# Altium PCB ETZZ.PcbDoc (part 2 of 2)
Units mm, origin at the board's own origin, x right, y up, seen from the top; angles counter-clockwise.
Board outline 70.75 x 120.75 mm, 2 copper layers (Top Layer, Bottom Layer), stack 1.536 mm thick; 55 components, 63 nets, 297 pads, 51 vias.
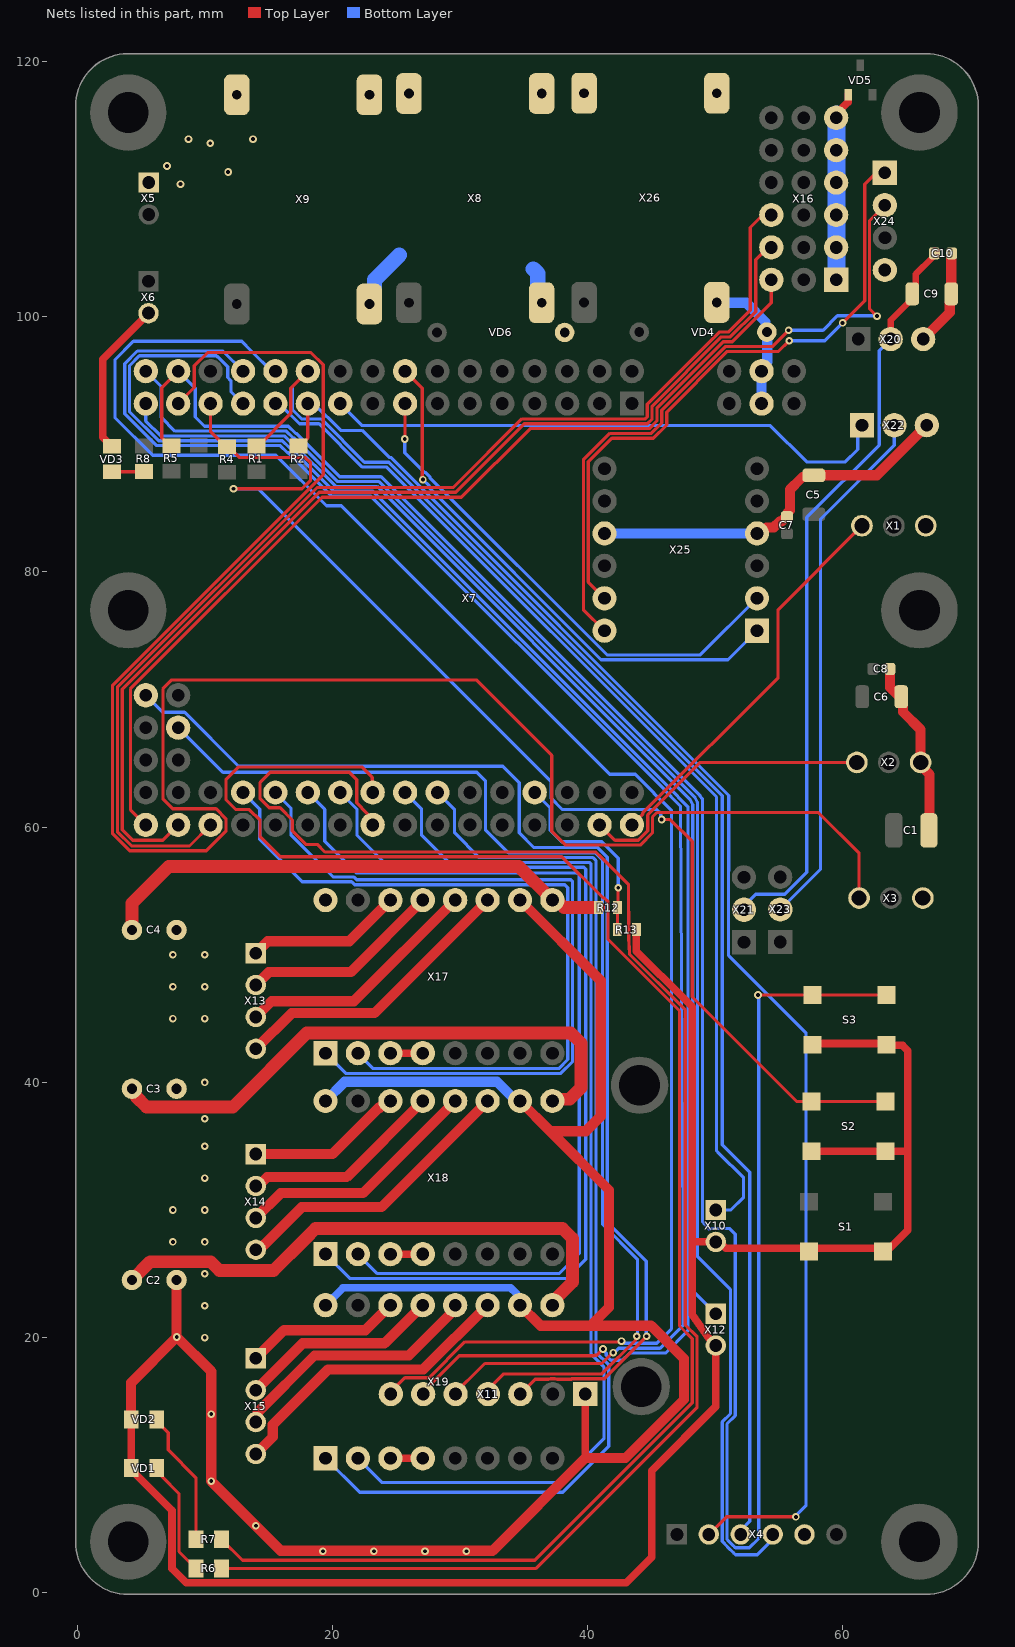
[diagram p2: the nets of this part, all layers, seen from the top]

## Via types
v1: diameter 0.6, hole 0.3, Top Layer to Bottom Layer, tented both sides, 49 vias
v2: diameter 0.6, hole 0.3, Top Layer to Bottom Layer, 2 vias

## Nets (pads, with @x,y where several pads share a name; then routed paths per layer and width w, separated by ;. In a path a pad name is that pad's centre, name@x,y a point inside that pad or via, vN(x,y) a via of type N, cw(c..) or ccw(c..) an arc to the next point about the centre after c; other vN are vias at no path point) (continued)
BUTTON2: R4.1 S2.1 X7.27 | length 97.9
  Top Layer w0.254: X7.27@10.455,93.2 10.455,90.995 11.625,89.825 R4.1@11.75,89.825 11.875,89.825 12.734,88.966 17.874,88.966 18.285,88.554 18.285,87.196 17.615,86.525 v1(12.25,86.525) ; v1(45.798,60.6) 46.486,60.6 48.204,58.882 48.204,46.693 56.397,38.5 S2.1@57.55,38.5 S2.1@63.35,38.5
  Bottom Layer w0.254: v1(12.25,86.525) 14.2,86.525 37.125,63.6 37.125,62.29 38.033,61.382 45.437,61.382 45.732,61.088 45.732,60.666 v1(45.798,60.6)
BUTTON3: R5.1 S3.1 X7.30 | length 179.1
  Top Layer w0.254: R5.1@7.375,89.9 7.25,89.9 6.625,90.525 6.625,94.45 X7.30@7.915,95.74 ; v1(53.35,46.85) S3.1@63.425,46.85
  Bottom Layer w0.254: X7.30@7.915,95.74 9.253,94.402 9.253,92.147 9.974,91.426 16.541,91.426 17.106,90.861 17.174,90.861 20.569,87.465 23.818,87.465 48.701,62.582 48.775,62.508 48.95,62.263 48.998,62.197 48.998,29.096 49.195,28.899 49.225,28.862 49.347,28.684 49.495,28.535 49.606,28.535 50.008,28.551 cw(c50.05,27.5) 50.072,28.552 51.144,28.531 51.579,28.096 51.579,13.889 50.925,13.235 50.925,4.706 cw(c49.5,4.575) 50.925,4.444 50.925,4.182 50.999,4.108 51.131,3.977 51.184,3.911 ccw(c52,4.575) 51.336,3.759 51.402,3.706 51.587,3.52 52.67,3.52 53.404,4.254 53.404,46.796 v1(53.35,46.85)
CLK: X7.53 X11.3 | length 94.3
  Top Layer w0.254: X11.3@34.73,15.57 35.889,16.729 36.938,16.729 cw(c37.275,15.575) 37.612,16.729 38.712,16.729 38.761,16.777 41.302,16.777 42.286,17.761 cw(c44.202,16.152) 42.593,18.068 v1(44.625,20.1)
  Bottom Layer w0.254: X7.53@5.375,70.34 6.713,69.002 8.413,69.002 12.64,64.775 33.35,64.775 34.65,63.475 34.65,59.55 35.8,58.4 40.8,58.4 41.472,57.728 41.546,57.654 41.546,29.043 44.601,25.988 44.601,20.124 v1(44.625,20.1)
CS: X7.24 X11.7 | length 140.5
  Top Layer w0.254: X11.7@24.14,15.315 25.682,16.857 27.582,16.857 30.388,19.663 42.592,19.663 v1(42.65,19.721)
  Bottom Layer w0.254: X7.24@15.535,95.74 15.231,95.74 13.65,97.321 12.892,98.079 4.406,98.079 2.962,96.635 2.962,92.094 5.904,89.152 15.575,89.152 19.536,85.191 20.699,85.191 41.741,64.15 43.745,64.15 45.197,62.697 45.197,62.67 46.577,61.29 46.577,20.706 45.419,19.548 42.972,19.548 42.961,19.559 42.906,19.559 42.744,19.721 v1(42.65,19.721)
D1: X7.47 X16.13 | length 76.3
  Top Layer w0.254: X7.47@5.375,60.18 4.173,61.382 4.173,70.838 19.185,85.85 30.1,85.85 35.49,91.24 44.843,91.24 45.435,91.832 45.435,92.847 50.63,98.042 51.352,98.042 54.4,101.09 X16.13@54.4,102.9
D2: X7.45 X16.14 | length 84.4
  Top Layer w0.254: X7.45@7.915,60.18 6.713,58.978 4.358,58.978 3.529,59.807 3.529,70.818 18.955,86.244 29.657,86.244 35.032,91.619 44.686,91.619 45.056,91.989 45.056,93.004 50.473,98.421 51.195,98.421 53.175,100.401 53.175,104.465 X16.14@54.275,105.565
D3: X7.43 X16.15 | length 90.7
  Top Layer w0.254: X7.43@10.455,60.18 8.8,58.525 4.275,58.525 3.15,59.65 3.15,70.975 18.798,86.623 29.473,86.623 34.848,91.998 44.529,91.998 44.677,92.146 44.677,93.161 50.316,98.8 51.038,98.8 52.75,100.512 52.75,107 X16.15@54.148,108.398
DIGITAL: X7.19 X22.1 | length 46
  Top Layer w0.254: X22.1@61.849,90.833 X22.1@62.075,91.059
  Bottom Layer w0.254: X7.19@20.615,93.2 22.34,91.475 54.325,91.475 57.175,88.625 60.2,88.625 61.175,89.6 61.175,91.175 X22.1@62.049,92.049
DIR: X4.4 X7.32 | length 123.3
  Bottom Layer w0.254: X7.32@5.375,95.74 6.577,94.538 6.577,92.123 7.653,91.047 16.384,91.047 16.949,90.482 17.017,90.482 20.412,87.086 23.661,87.086 48.322,62.425 48.381,62.366 48.396,62.351 48.59,61.984 48.619,61.928 48.619,27.957 48.619,26.333 51.164,23.788 51.2,23.728 51.2,14.046 50.546,13.392 50.546,4.687 cw(c49.5,4.575) 50.546,4.463 50.546,4.025 50.965,3.586 ccw(c52,4.575) 51.014,3.538 51.43,3.141 51.458,3.117 51.6,2.975 53.29,2.975 54.523,4.208 X4.4@54.523,4.572
DIR1: X7.40 X17.1 | length 61.9
  Bottom Layer w0.254: X7.40@15.535,62.72 16.75,61.505 16.75,59.4 20.045,56.105 21.659,56.105 21.892,55.872 38.672,55.872 38.821,55.723 38.821,41.636 37.887,40.702 21.049,40.702 X17.1@19.46,42.291
DIR2: X7.36 X18.1 | length 75.3
  Bottom Layer w0.254: X18.1@19.46,26.543 21.363,24.64 38.356,24.64 39.85,26.134 39.85,56.714 39.701,56.863 24.436,56.863 21.925,59.374 21.925,61.41 X7.36@20.615,62.72
DIR3: X7.68 X19.1 | length 86.8
  Bottom Layer w0.254: X19.1@19.46,10.541 22.127,7.874 38.044,7.874 41.654,11.484 41.654,17.857 40.654,18.857 40.654,57.399 40.432,57.621 31.504,57.621 29.575,59.55 29.575,61.38 X7.68@28.235,62.72
DS: X7.25 X11.6 | length 137.6
  Top Layer w0.254: X11.6@26.48,15.13 29.925,18.575 40.509,18.575 40.554,18.62 40.715,18.62 v1(41.206,19.111)
  Bottom Layer w0.254: X7.25@12.995,93.2 12.048,94.147 12.048,94.987 11.793,95.242 11.793,96.102 11.021,96.874 10.964,96.874 10.896,96.942 4.877,96.942 4.099,96.164 4.099,92.565 6.375,90.289 16.07,90.289 16.635,89.724 16.703,89.724 20.098,86.328 23.174,86.328 46.334,63.168 47.861,61.614 47.861,20.536 46.115,18.79 43.302,18.79 42.729,18.217 41.83,18.217 41.452,18.595 41.452,18.772 41.206,19.018 v1(41.206,19.111)
ENDCAP1: X7.23 X10.1 | length 82.2
  Bottom Layer w0.254: X7.23@15.535,93.2 15.839,93.2 17.42,91.619 18.956,91.619 22.351,88.223 24.252,88.223 50.1,62.375 50.1,34.649 50.249,34.5 ; X10.1@50.05,30 51.231,30 52.225,30.994 52.225,32.525 50.25,34.5
ENDCAP2: X7.31 X12.1 | length 97.4
  Bottom Layer w0.254: X7.31@5.375,93.2 5.375,91.825 6.532,90.668 16.227,90.668 16.792,90.103 16.86,90.103 20.255,86.707 23.504,86.707 47.943,62.268 48.017,62.194 48.24,61.771 48.24,23.685 49.377,22.548 X12.1@50.05,21.875
GND: C1.1 C2.2 C3.2 C4.2 C5.1 C6.1 C7.1 C8.1 C9.1 C10.1 R13.2 S1.2 S2.2 S3.2 VD1.1 VD2.1 VD3.1 VD4.1 VD5.1 VD6.1 X1.3 X2.3 X3.3 X4.5 X6.2 X7.73 X7.74 X8.2 X8.4 X9.2 X9.4 X10.2 X11.1 X12.2 X16.1 X16.2 X16.3 X16.4 X16.5 X16.6 X17.9 X17.15 X18.9 X18.15 X19.9 X19.15 X20.3 X22.3 X24.4 X25.4 X25.10 X26.2 X26.4 | length 420.3
  Top Layer w0.6: VD3.1@2.725,89.85 2.6,89.85 2.325,90.125 2.325,90.25 2,90.575 2,96.675 X6.2@5.6,100.275 ; VD2.1@4.223,13.589 VD1.1@4.223,9.779 4.223,9.654 7.425,6.452 7.425,1.907 8.552,0.78 43.03,0.78 45.025,2.775 45.025,9.575 50.05,14.6 X12.2@50.05,19.375 ; 39.815,10.565 X11.1@39.815,15.575 ; R13.2@43.825,51.975 43.825,50.292 47.652,46.465 48.032,46.084 48.208,45.909 48.208,27.5 ; X12.2@50.05,19.551 X12.2@50.05,19.375 ; S3.2@57.325,43.05 S3.2@63.425,43.05 ; S2.2@57.387,34.6 S2.2@57.55,34.6 S2.2@63.35,34.6 65.1,34.6 ; X16.6@59.48,115.6 59.48,115.898 60.419,116.837 60.425,116.843 VD5.1@60.425,117.4 ; S3.2@63.425,42.95 63.458,42.917 64.674,42.917 65.1,42.491 65.1,34.6 ; 48.208,27.5 X10.2@50.05,27.5 50.321,27.5 50.821,27 63.15,27 63.2,27.05 63.725,27.05 65.1,28.425 65.1,34.6 ; 48.208,27.5 48.208,21.78 49.522,19.903 X12.2@50.05,19.375
  Top Layer w0.8: VD2.1@4.223,13.589 4.223,16.473 v1(7.8,20.05) ; C2.2@7.786,24.511 7.786,20.064 v1(7.8,20.05) ; X19.15@34.7,22.541 36.316,20.925 40.225,20.925 ; X18.15@34.7,38.543 37.068,36.175 ; X17.15@34.7,54.291 41.025,47.966 41.025,37.334 39.866,36.175 37.068,36.175 ; X25.4@53.275,83.02 53.573,83.02 54.045,83.493 54.6,83.493 55.057,83.95 55.175,83.95 55.55,84.325 55.6,84.325 C7.1@55.625,84.35 55.675,84.35 55.7,84.375 55.7,84.675 55.85,84.825 55.85,86.45 56.725,87.325 56.85,87.45 C5.1@57.225,87.45 ; C5.1@57.725,87.575 62.655,87.575 X22.3@66.585,91.505 ; X24.4@63.295,103.665 X24.4@63.366,103.665 ; C8.1@63.7,72.4 63.7,70.966 C6.1@64.35,70.316 ; C6.1@64.722,69.944 64.722,69.028 66.1,67.65 X2.3@66.1,65.075 66.1,64.831 66.8,64.131 C1.1@66.8,58.875 ; X20.3@66.295,98.255 68.375,100.335 C9.1@68.375,101.125 ; C9.1@68.5,101.125 C10.1@68.5,104.95 ; v1(7.8,20.05) 10.5,17.35 v1(10.5,14) v1(10.5,8.75) v1(14,5.25) 15.948,3.302 32.552,3.302 39.815,10.565 42.964,10.565 47.55,15.151 47.55,18.35 44.975,20.925 40.225,20.925 ; 37.068,36.175 41.675,31.568 41.675,22.375 40.225,20.925
  Bottom Layer w0.6: X19.9@19.46,22.541 20.835,23.916 33.956,23.916 34.451,23.421 34.451,22.79 X19.15@34.7,22.541
  Bottom Layer w0.8: X18.9@19.46,38.543 20.967,40.05 32.902,40.05 34.409,38.543 X18.15@34.7,38.543 ; X19.15@34.7,22.541 X19.15@34.998,22.541 ; X25.10@41.325,83.02 X25.4@53.275,83.02 ; X26.2@50.7,101.15 50.756,101.094 52.431,101.094 53.936,99.589 53.936,98.864 54.075,98.725 54.075,96.473 53.635,96.033 X7.73@53.635,95.735 X7.74@53.635,93.195
  Bottom Layer w1.2: X9.2@22.9,101 23.3,101.4 23.3,102.9 25.25,104.85 ; 35.749,103.75 36.1,103.399 X8.2@36.1,101.125
  Bottom Layer w1.4: X16.1@59.5,103.17 X16.6@59.5,115.87
  other v1: 19.25,3.25 23.25,3.25 27.25,3.25 30.5,3.25 10,20 10,22.5 10,25 7.5,27.5 10,27.5 7.5,30 10,30 10,32.5 10,35 10,37.147 10,40 7.5,45 10,45 7.5,47.5 10,47.5 7.5,50 10,50
LED1: R6.1 X7.33 | length 131.4
  Top Layer w0.254: R6.1@11.303,1.905 35.893,1.905 35.962,1.909 48.581,14.528 48.581,20.063 47.656,20.988 47.656,45.68 43.273,50.063 43.223,51.371 43.21,55.49 43.136,55.564 41.112,57.588 40.644,58.056 19.409,58.056 18.818,58.647 17.909,58.647 16.85,59.705 16.85,60.565 15.897,61.518 15.037,61.518 14.333,62.222 14.333,63.508 15.125,64.3 21.325,64.3 21.9,63.725 21.9,61.9 22.7,61.1 22.7,61.08 23.05,60.73 X7.33@23.05,60.075
LED2: R7.1 X7.34 | length 133.7
  Top Layer w0.254: R7.1@11.303,4.191 12.954,2.54 35.862,2.54 48.202,14.88 48.202,19.906 47.203,20.906 47.203,45.597 41.602,51.198 41.602,54.154 41.304,54.452 41.212,54.452 37.987,57.677 15.898,57.677 14.333,59.242 14.333,60.542 13.493,61.382 12.443,61.382 11.657,62.168 11.657,63.732 12.65,64.725 22.3,64.725 23.123,63.902 23.123,62.752 X7.34@23.155,62.72
MOSI: X7.52 X11.4 | length 92.6
  Top Layer w0.254: X11.4@31.609,15.359 33.389,17.139 37.242,17.156 cw(c37.275,15.575) 37.275,17.156 41.117,17.156 43.753,19.792 43.753,19.907 v1(43.844,20.1)
  Bottom Layer w0.254: X7.52@7.915,67.8 11.415,64.3 31.325,64.3 31.991,63.634 31.991,59.804 33.795,58 40.589,58 41.093,57.496 41.167,57.422 41.167,28.886 43.9,26.153 43.9,20.156 v1(43.844,20.1)
NetC9_2: C9.2 C10.2 X20.2 X21.2 | length 59.2
  Top Layer w0.5: X20.2@63.75,98.25 63.75,99.725 65.45,101.425 C9.2@65.45,101.8 65.717,102.067 65.717,103.348 67,104.631 67,105.039 C10.2@67.161,105.2
  Bottom Layer w0.254: X21.2@52.255,53.53 52.255,53.83 53.177,54.752 55.452,54.752 57.175,56.475 57.175,84.275 62.85,89.95 62.85,91.331 cw(c64.04,91.5) 62.85,91.669 62.85,97.35 X20.2@63.75,98.25
NetR6_2: R6.2 VD1.2 | length 9.1
  Top Layer w0.254: VD1.2@6.223,9.779 6.671,9.331 6.671,9.077 7.977,7.771 7.977,3.231 R6.2@9.303,1.905
NetR7_2: R7.2 VD2.2 | length 10.7
  Top Layer w0.254: VD2.2@6.223,13.589 6.223,13.464 7.134,12.553 7.134,11.194 9.303,9.025 R7.2@9.303,4.191
NetR8_2: R8.2 VD3.2 | length 3
  Top Layer w0.254: VD3.2@2.725,87.85 R8.2@5.7,87.85
NetX13_1: X13.1 X17.11 | length 12.3
  Top Layer w0.8: X13.1@14,50.129 14.925,51.054 21.313,51.054 X17.11@24.545,54.286
NetX13_2: X13.2 X17.12 | length 15.8
  Top Layer w0.8: X13.2@14,47.629 15.012,48.641 21.43,48.641 X17.12@27.08,54.291
NetX13_3: X13.3 X17.13 | length 19.4
  Top Layer w0.8: X13.3@14,45.129 15.226,46.355 21.684,46.355 X17.13@29.62,54.291
NetX13_4: X13.4 X17.14 | length 23
  Top Layer w0.8: X13.4@14,42.629 16.801,45.43 23.299,45.43 X17.14@32.16,54.291
NetX14_1: X14.1 X18.11 | length 12.3
  Top Layer w0.8: X14.1@14,34.381 19.999,34.381 23.63,38.012 23.722,38.012 24.247,38.538 X18.11@24.545,38.538
NetX14_2: X14.2 X18.12 | length 15.8
  Top Layer w0.8: X14.2@14,31.881 14.175,31.881 14.869,32.575 21.112,32.575 X18.12@27.08,38.543
NetX14_3: X14.3 X18.13 | length 19.4
  Top Layer w0.8: X14.3@14,29.381 15.944,31.325 22.402,31.325 X18.13@29.62,38.543
NetX14_4: X14.4 X18.14 | length 23
  Top Layer w0.8: X14.4@14,26.881 14.216,26.881 14.616,27.281 14.656,27.281 17.6,30.225 23.842,30.225 X18.14@32.16,38.543
NetX15_1: X15.1 X19.11 | length 12.3
  Top Layer w0.8: X15.1@14,18.379 16.195,20.574 22.583,20.574 X19.11@24.545,22.536
NetX15_2: X15.2 X19.12 | length 15.8
  Top Layer w0.8: X15.2@14,15.879 17.671,19.55 24.089,19.55 X19.12@27.08,22.541
NetX15_3: X15.3 X19.13 | length 20
  Top Layer w0.8: X15.3@14,13.379 14.153,13.532 14.153,14.158 18.595,18.6 25.975,18.6 29.62,22.245 X19.13@29.62,22.541
NetX15_4: X15.4 X19.14 | length 23.6
  Top Layer w0.8: X15.4@14,10.879 15.325,12.204 15.325,13.175 19.659,17.509 27.128,17.509 X19.14@32.16,22.541
NetX17_3: X17.3 X17.4 | length 2.5
  Top Layer w0.6: X17.3@24.545,42.286 24.548,42.288 27.077,42.288 X17.4@27.08,42.291
NetX18_3: X18.3 X18.4 | length 2.5
  Top Layer w0.6: X18.3@24.545,26.538 24.548,26.54 27.077,26.54 X18.4@27.08,26.543
NetX19_3: X19.3 X19.4 | length 2.5
  Top Layer w0.6: X19.3@24.545,10.536 24.548,10.538 27.077,10.538 X19.4@27.08,10.541
NetX22_2: X22.2 X23.2 | length 41.7
  Bottom Layer w0.254: X23.2@55.1,53.55 58.25,56.7 58.25,84.15 64.04,89.94 X22.2@64.04,91.5
NetX24_1: X24.1 X25.8 | length 49.7
  Top Layer w0.254: X25.8@41.325,77.94 40.054,79.211 40.054,88.632 41.904,90.482 45.157,90.482 46.193,91.518 46.193,92.533 50.944,97.284 54.959,97.284 v1(55.8,98.125) ; v1(59.984,99.523) 61.714,101.253 61.714,110.398 62.472,111.137 X24.1@63.295,111.285
  Bottom Layer w0.254: v1(55.8,98.125) 58.586,98.125 59.375,98.914 v1(59.984,99.523)
NetX24_2: X24.2 X25.7 | length 51.8
  Top Layer w0.254: X25.7@41.325,75.4 39.675,77.05 39.675,88.789 41.747,90.861 45,90.861 45.814,91.675 45.814,92.69 50.787,97.663 54.463,97.663 v1(55.75,98.95) ; v1(62.675,100.05) 62.093,100.632 62.093,107.543 X24.2@63.295,108.745
  Bottom Layer w0.254: v1(55.75,98.95) 58.45,98.95 59.575,100.075 62.65,100.075 v1(62.675,100.05)
OUT_VOL: R12.2 R13.1 X7.62 | length 15.3
  Top Layer w0.254: R13.1@42.325,51.975 42.337,51.987 42.337,53.687 42.375,53.725 42.375,55.225 v1(42.4,55.25)
  Bottom Layer w0.254: X7.62@35.855,62.72 37.072,61.503 37.072,59.753 37.975,58.85 41.125,58.85 42.4,57.575 v1(42.4,55.25)
RES: X7.26 X11.5 | length 131.8
  Top Layer w0.254: X11.5@29.289,15.31 31.951,17.971 41.098,17.971 41.951,18.824 v1(42.004,18.824)
  Bottom Layer w0.254: X7.26@12.995,95.74 11.414,97.321 4.72,97.321 3.72,96.321 3.72,92.408 6.218,89.91 15.913,89.91 16.478,89.345 16.546,89.345 19.941,85.949 23.017,85.949 45.955,63.011 45.955,62.984 47.203,61.736 47.277,61.662 47.482,28.468 47.482,20.97 45.681,19.169 42.442,19.169 42.097,18.824 v1(42.004,18.824)
RXD3: X7.16 X25.1 | length 42.8
  Top Layer w0.254: X7.16@25.695,95.74 27.033,94.402 27.033,87.295 v1(27.089,87.239)
  Bottom Layer w0.254: v1(27.089,87.239) 27.584,86.744 27.584,86.591 41.05,73.125 51,73.125 X25.1@53.753,75.878
SCL: R1.2 X4.3 X7.22 | length 116.4
  Top Layer w0.254: R1.2@14.047,89.868 14.172,89.868 16.737,92.433 16.737,94.402 X7.22@18.075,95.74
  Bottom Layer w0.254: X7.22@18.075,95.74 16.873,94.538 16.873,92.702 17.577,91.998 19.113,91.998 22.508,88.602 24.409,88.602 50.555,62.455 50.555,35.108 52.708,32.955 52.708,5.607 52.023,4.922 X4.3@52.023,4.572
SDA: R2.2 X4.2 X7.21 | length 116.2
  Top Layer w0.254: R2.2@17.333,89.875 17.458,89.875 18.075,90.492 X7.21@18.075,93.2 ; X4.2@49.523,4.572 50.901,5.95 v1(56.325,5.95)
  Bottom Layer w0.254: X7.21@18.075,93.2 18.55,93.2 20.654,91.096 22.323,91.096 24.438,88.981 24.566,88.981 51.061,62.486 51.061,56.586 51.048,56.573 51.048,49.941 57.125,43.864 57.125,6.844 56.325,6.044 v1(56.325,5.95)
SERVO: X3.1 X7.29 | length 153.6
  Top Layer w0.254: X7.29@7.915,93.2 9.175,94.46 9.175,96.16 10.215,97.2 18.315,97.2 19.277,96.238 19.277,87.638 2.771,71.132 2.771,59.493 4.118,58.146 10.121,58.146 11.657,59.682 11.657,60.678 10.885,61.45 7.485,61.45 6.713,62.222 6.713,70.838 7.417,71.542 31.273,71.542 37.193,65.622 37.193,59.682 38.276,58.599 44.13,58.599 45.084,59.553 45.084,60.808 45.428,61.152 58.073,61.152 61.275,57.95 X3.1@61.275,54.45
STEP1: X7.42 X17.2 | length 60.6
  Bottom Layer w0.254: X7.42@12.995,62.72 14.3,61.415 14.3,59.05 17.624,55.726 21.502,55.726 21.735,55.493 38.207,55.493 38.442,55.258 38.442,41.793 37.73,41.081 33.479,41.081 33.476,41.084 23.207,41.084 X17.2@22,42.291
STEP2: X7.38 X18.2 | length 73.7
  Bottom Layer w0.254: X7.38@18.075,62.72 19.4,61.395 19.4,58.9 21.9,56.4 39.201,56.4 39.35,56.251 39.35,26.61 37.759,25.019 23.524,25.019 X18.2@22,26.543
STEP3: X7.70 X19.2 | length 85
  Bottom Layer w0.254: X19.2@22,10.541 23.905,8.636 37.846,8.636 41.275,12.065 41.275,17.7 40.275,18.7 40.275,57.093 40.126,57.242 29.133,57.242 26.975,59.4 26.975,61.44 X7.70@25.695,62.72
TCRT1: X1.1 X7.55 | length 30.9
  Top Layer w0.254: X7.55@43.475,60.18 44.326,61.031 44.326,61.122 54.925,71.721 54.925,77.05 X1.1@61.5,83.625
TCRT2: X2.1 X7.57 | length 23.9
  Top Layer w0.254: X7.57@40.935,60.18 42.137,58.978 43.973,58.978 44.705,59.71 44.705,60.965 48.815,65.075 X2.1@61.1,65.075
TXD3: X7.15 X25.2 | length 39.9
  Top Layer w0.254: v1(25.675,90.425) 25.685,90.435 25.685,93.19 X7.15@25.695,93.2
  Bottom Layer w0.254: v1(25.675,90.425) 25.675,89.35 27.234,87.791 27.317,87.791 27.641,87.467 27.641,87.384 41.521,73.504 48.839,73.504 X25.2@53.275,77.94
VCC: C2.1 C3.1 C4.1 R12.1 X5.1 X8.3 X9.3 X17.16 X18.16 X19.16 X26.3 | length 129
  Top Layer w1: C2.1@4.286,24.511 5.724,25.95 10.455,25.95 11.155,25.25 15.383,25.25 17.885,27.752 18.683,28.55 38.039,28.55 38.815,27.774 38.815,24.36 37.24,22.785 X19.16@37.24,22.541 ; C3.1@4.286,39.497 4.286,39.335 4.586,39.035 4.586,38.914 5.428,38.072 12.197,38.072 17.991,43.866 38.684,43.866 39.475,43.075 39.475,39.575 38.574,38.674 37.371,38.674 X18.16@37.24,38.543 ; C4.1@4.286,51.943 4.286,54.036 7.175,56.925 34.606,56.925 X17.16@37.24,54.291 37.565,54.291 38.156,53.7 R12.1@40.85,53.7
  other v1: 8.1,110.4 11.825,111.35 7.038,111.812 10.425,113.6 8.725,113.925 13.775,113.925
pads on no net: VD5.2 X4.6 X7.1 X7.2 X7.3 X7.4 X7.5 X7.6 X7.7 X7.8 X7.9 X7.10 X7.11 X7.12 X7.13 X7.14 X7.17 X7.18 X7.20 X7.35 X7.37 X7.39 X7.41 X7.44 X7.46 X7.48 X7.49 X7.50 X7.51 X7.54 X7.61 X7.63 X7.64 X7.65 X7.66 X7.67 X7.69 X7.71 X7.72 X17.8 X18.8 X19.8 X25.5 X25.6 X25.11 X25.12

## Polygon pours and split planes (outlines as drawn)
+5В on Top Layer "5V_top" (solid, remove dead copper, pour order 11): 60.25,96.8 60.425,96.625 65.5,96.625 65.5,99.25 65.475,99.275 65.475,104.275 65.458,104.275 64.008,105.725 62.575,105.725 62.658,105.897 64.368,107.607 68.393,107.607 70.175,105.775 70.175,82.575 67.8,80.2 63.3,80.2 62.575,79.475 62.575,68.275 64.575,66.275 64.575,61.028 65.151,60.452 65.151,59.649 69.875,54.925 69.875,14.525 62.95,7.6 50.125,7.6 49.475,7.025 49.475,4.825 48.123,3.473 48.123,3.472 46.528,3.472 45.625,4.375 45.625,6.775 66.423,27.573 66.423,51.492 66.421,51.562 62.357,55.626 62.357,60.452 59.499,62.928 58.175,64.253 58.175,68.326 58.175,79.075 65.5,86.4 65.5,90.374 66.626,91.5 66.626,92.75 59.45,92.75 56.625,95.575 56.625,100.648 56.323,100.949 56.326,102.611 55.087,103.85 55.087,107.087 51.3,103.3 35.288,103.3 34.235,102.289 34.235,99.135 33.583,98.483 25.592,98.483 25.25,98.875 25.25,102.75 28.377,105.877 35.627,105.877 45.175,115.425 46.625,115.416 49.066,115.416 50.416,115.416 53.245,118.245 59.755,118.245 59.755,102.995 60.25,102.5
GND on Top Layer "GND_CAP" (solid, remove dead copper, pour order 13): 2.025,7.275 0.95,8.375 0.95,47.95 1.7,48.7 1.825,48.675 6.55,48.675 6.55,52.95 8.775,55.175 19.475,55.175 20.775,53.875 11.6,49.95 10.875,49.225 10.875,26.75 4.4,26.75 3.075,25.425 3.075,23.831 3.856,23.05 4.7,23.05 5.8,24.15 5.724,24.226 5.724,25.024 6.25,25.55 6.3,25.5 10.366,25.5 11.241,24.625 19.6,24.625 20.875,23.35 20.875,21.575 14.775,21.575 14.7,21.65 12.1,19.05 8.1,19.05 4.85,15.8 4.85,8.55 3.575,7.275 3.237,7.275
VCC on Top Layer "VCC_top" (solid, remove dead copper, pour order 0): 3.937,113.275 5.912,115.25 10.775,115.25 10.775,118.475 11.275,119 43.5,119 45.625,116.875 36,107.25 10.288,107.25 8.288,109.25 4.542,109.25 3.937,109.855
+4S on Top Layer "+4s_vcc" (solid, pour order 7): 1.778,101.981 2.73,101.028 6.477,101.028 7.239,101.79 7.239,102.298 7.239,103.822 8.382,104.965 8.382,107.379 6.921,108.839 2.921,108.839 1.778,107.696
+5В_FOR_ARDUINO on Bottom Layer "+5В_ARDUINO" (solid, remove dead copper, pour order 12): 42.776,101.7 46.85,101.7 49.125,99.5 50.525,99.5 52.563,97.462 52.563,91.363 52.025,90.825 50.675,90.825 48.325,93.175 48.325,94.25 45.915,96.66 40.011,96.66 39.275,97.405 39.275,103.123 40.227,103.123 40.276,103.075 41.401,103.075
GND on Bottom Layer "BOT_GND" (solid, remove dead copper, pour order 6): 41.678,102.75 46.95,102.75 49.55,100.15 58.425,100.15 59.225,100.95 69.475,100.95 69.475,102.4 67.575,104.3 64.175,104.3 64.175,106.825 63.75,107.25 63.75,111.5 62.25,113 62.25,118.471 61.087,119.634 18.796,119.634 18.787,119.625 16.55,119.625 15.727,118.802 15.727,111.95 15.7,111.95 15.7,110.4 5.587,100.287 2.8,100.287 2.8,99.5 4.125,98.175 9.337,98.175 10.125,98.962 10.125,102.1 11.675,103.65 16.082,103.65 16.757,102.975 21.8,102.975 22.375,102.4 22.375,100.35 24.8,102.775 26.575,102.775 31.925,97.425 38.425,97.425 38.45,97.4 39.275,98.225 39.275,102.96 39.539,103.224 39.64,103.123 41.304,103.123
GND on Bottom Layer "brm_gnd" (solid, remove dead copper, pour order 10): 6.541,54.928 6.541,54.941 8.275,56.675 15.771,56.675 16.946,55.5 19.925,55.5 20.85,54.575 20.85,53.1 19.625,51.875 11.367,51.875 11.367,8.954 15.748,4.572 54.864,4.572 61.087,10.795 61.087,55.994 64.205,59.112 59.309,64.008 59.182,64.008 59.182,76.838 63.179,80.835 65.25,82.906 65.25,92.5 66.802,94.052 66.802,95.698 65.901,96.599 65.5,97 65.5,98.75 63.425,100.825 46.863,100.825 46.863,101.219 47.699,102.055 59.436,102.055 59.436,117.348 60.642,118.554 60.642,118.618 62.103,118.618 62.25,118.471 62.25,104 65.145,101.106 68.693,101.106 69.143,101.555 69.475,101.555 69.475,10.334 60.966,0.762 10.922,0.762 5.969,5.715 5.969,54.356
+5В on Bottom Layer "5V_MOTOR" (solid, remove dead copper, pour order 9): 36.195,36.957 37.338,35.814 37.338,31.369 36.068,30.099 36.068,25.908 35.687,25.527 28.702,25.527 28.702,26.797 26.924,28.575 17.145,28.575 17.145,26.67 19.812,24.003 22.733,24.003 23.241,23.495 23.241,21.59 23.622,21.209 32.512,21.209 35.941,17.78 35.941,9.652 35.687,9.906 28.702,9.906 28.321,10.287 28.321,11.557 27.432,12.446 19.05,12.446 15.367,16.129 15.367,50.292 17.925,52.85 20.398,52.85 20.908,54.229 23.241,54.229 23.241,53.848 24.257,52.832 33.401,52.832 36.322,49.911 36.322,41.91 35.687,41.275 29.083,41.275 28.575,41.783 28.575,43.942 18.288,43.942 18.161,44.069 18.161,38.481 23.495,38.481 23.495,36.957
VCC on Bottom Layer "btm_vcc" (solid, remove dead copper, pour order 5): 15.367,110.842 9.625,105.1 5.15,105.1 3.625,103.575 3.683,97.15 3.683,58.928 4.826,57.785 5.207,57.404 6.35,56.261 6.35,22.606 4.699,20.955 1.651,20.955 0,22.606 0,107.442 7.62,119.634 13.843,119.634 15.367,118.11

## Silkscreen, mask and mechanical layers (free items; w line width, h text height)
Top Overlay:
  text "GND" at 58.215,116.875 h1.6 r45
  text "+5В" at 56.226,116.826 h1.6 r45
  text "A5" at 52.075,114.275 h1.6 r45
  text "ТУМБЛЕР" at 2.159,111.886 h1.6 r270
  text "A3" at 52.071,111.675 h1.6 r45
  text "5В АРДУИНО" at 37.688,111.325 h1.6 r270
  text "TX" at 65.476,110.526 h1.6 r45
  text "3,3В" at 10.534,110.175 h1.6 r270
  text "5В" at 23.975,109.275 h1.6 r270
  text "A1" at 52.171,109.175 h1.6 r45
  text "RX" at 65.351,108.151 h1.6 r45
  text "D42" at 51.614,106.721 h1.6 r45
  text "+5В" at 65.126,105.876 h1.6 r45
  text "D44" at 51.638,104.181 h1.6 r45
  text "+4S" at 0.8,103.874 h1.6 r270
  text "ПИТАНИЕ" at 2.25,103.749 h1.6 r270
  text "GND" at 65.1,103.5 h1.6 r45
  text "D46" at 51.651,102.021 h1.6 r45
  text "GND" at 0.55,101.725 h1.6 r270
  text "ANALOG" at 60.125,99.725 h1.6
  text "A4" at 60.373,95.86 h1.6
  text "+5В" at 62.499,95.86 h1.6
  text "GND" at 65.273,95.835 h1.6
  text "D18" at 60.395,92.925 h1.6
  text "+5В" at 62.876,92.925 h1.6
  text "GND" at 65.55,92.925 h1.6
  text "DIGITAL" at 60.27,89.075 h1.6
  text "A0" at 60.675,86.1 h1.6
  text "TCRT5000" at 62.901,86.1 h1.6
  text "TCRT5000" at 62.951,67.575 h1.6
  text "A2" at 60.55,67.55 h1.6
  text "DIGIT" at 56.75,57.655 h1.6 r270
  text "ANALOG" at 47.2,57.35 h1.6 r270
  text "СЕРВОПРИВОД" at 61.976,56.913 h1.6
  text "D28" at 59.62,56.9 h1.6
  text "+3,3В" at 48.846,54.531 h1.6 r45
  text "ПИТ." at 49.026,51.851 h1.6 r45
  text "STEP-D41 DIR-D39" at 0.625,51.15 h1.6 r270
  text "OUT_VOL - A7" at 38.151,49.676 h1.6
  text "+5В" at 49.351,49.626 h1.6 r45
  text "ПРАВЫЙ" at 2.325,48.249 h1.6 r270
  text "ОЛИВКОВЫЙ КАБРИОЛЕТ" at 16.701,46.425 h1.6
  text "ВВЕРХ" at 64.823,45.2 h1.6
  text "D29" at 64.818,43.85 h1.6
  text "ВЫБОР" at 64.823,36.575 h1.6
  text "STEP-D37  DIR-D35" at 0.625,36.45 h1.6 r270
  text "ВТОРАЯ ОСЬ" at 2.1,35.775 h1.6 r270
  text "КОНЦЕВИК ЛЕВЫЙ" at 53.884,35.725 h1.6 r270
  text "D26" at 64.818,35.2 h1.6
  text "D22" at 50.395,32.825 h1.6
  text "ВНИЗ" at 64.823,28.425 h1.6
  text "D27" at 64.818,27.125 h1.6
  text "КОНЦЕВИК ПРАВЫЙ" at 53.934,25 h1.6 r270
  text "STEP-D69  DIR-D67" at 0.625,22.025 h1.6 r270
  text "ЛЕВЫЙ" at 2.05,18.6 h1.6 r270
  text "D30" at 50.42,15.675 h1.6
  text "D33" at 3.81,14.745 h1.52
  text "OLED ДИСПЛЕЙ" at 23.312,12.766 h1.6
  text "+5В" at 33.726,12.755 h1.6
  text "D32" at 3.81,11.316 h1.52
  text "+5В" at 45.721,7.493 h1.6
  text "SDA" at 48.26,7.493 h1.6
  text "SCL" at 50.927,7.493 h1.6
  text "DIR" at 53.716,7.493 h1.6
  text "GND" at 56.134,7.493 h1.6
  text "ЭНКОДЕР" at 62.13,6.574 h1.5 r270
Board Layer Stack Bottom Overlay:
  text "1A" at 26.62,56.739 h1.52 r270
  text "1B" at 23.953,56.69 h1.52 r270
  text "2B" at 31.827,56.679 h1.52 r270
  text "2A" at 29.287,56.629 h1.52 r270
  text "+5B" at 21.667,56.006 h1.52 r270
  text "VCC" at 36.78,55.693 h1.52 r270
  text "GND" at 18.873,55.616 h1.52 r270
  text "GND" at 34.24,55.616 h1.52 r270
  text "DIR" at 20.625,7.337 h1.52 r270
  text "STP" at 22.071,7.023 h1.52 r270
  text "SLP" at 23.976,7.023 h1.52 r270
  text "RES" at 26.643,7.014 h1.52 r270
  text "+5B" at 29.31,7.016 h1.52 r270
  text "+5B" at 31.85,7.016 h1.52 r270
  text "+5B" at 34.263,7.016 h1.52 r270
Mechanical 1:
  circle w0.013: c66.006,116.006 r1.6
  circle w0.013: c4.006,116.006 r1.6
  circle w0.013: c66.006,4.006 r1.6
  circle w0.013: c4.006,4.006 r1.6
  lines w0.25: 0,4.025 ccw(c4.013,4.013) 4,0
  lines w0.254: 0,4.025 0,116.5 cw(c4,116.5) 4,120.5 66.5,120.5 cw(c66.5,116.5) 70.5,116.5 ; 4,0 66.5,0 ccw(c66.5,4) 70.5,4 ; 70.5,4.025 70.5,116.525

## Text inside footprints (layer, text, board x,y; h text height)
X8: Top Overlay "IN+" at 26.775,113.651 h1.6 r90; Top Overlay "IN-" at 36.875,113.701 h1.6 r90; Top Overlay "OUT+" at 26.725,102.951 h1.6 r90; Top Overlay "OUT-" at 37.025,103.051 h1.6 r90; Top Overlay "5B ДЛЯ ВСЕГО" at 32.012,101.85 h1.6 r90
X9: Top Overlay "3,3В" at 19.653,104.75 h1.6 r90; Top Overlay "OUT-" at 23.525,102.951 h1.6 r90; Top Overlay "OUT+" at 13.225,102.851 h1.6 r90; Top Overlay "IN-" at 23.375,113.601 h1.6 r90; Top Overlay "IN+" at 13.275,113.551 h1.6 r90
X26: Top Overlay "ARDUINO" at 45.975,103.625 h1.6 r90; Top Overlay "OUT-" at 50.75,103.076 h1.6 r90; Top Overlay "OUT+" at 40.45,102.976 h1.6 r90; Top Overlay "IN-" at 50.6,113.726 h1.6 r90; Top Overlay "IN+" at 40.5,113.676 h1.6 r90